# Altium PCB PCB1.PcbDoc (part 2 of 8)
Units mm, origin at the board's own origin, x right, y up, seen from the top; angles counter-clockwise.
Board outline 215 x 62.44 mm, 6 copper layers (Top Layer, Layer 1, Layer 2, Layer 3, Layer 4, Bottom Layer), stack 1.538 mm thick; 444 components, 475 nets, 1876 pads, 1257 vias.
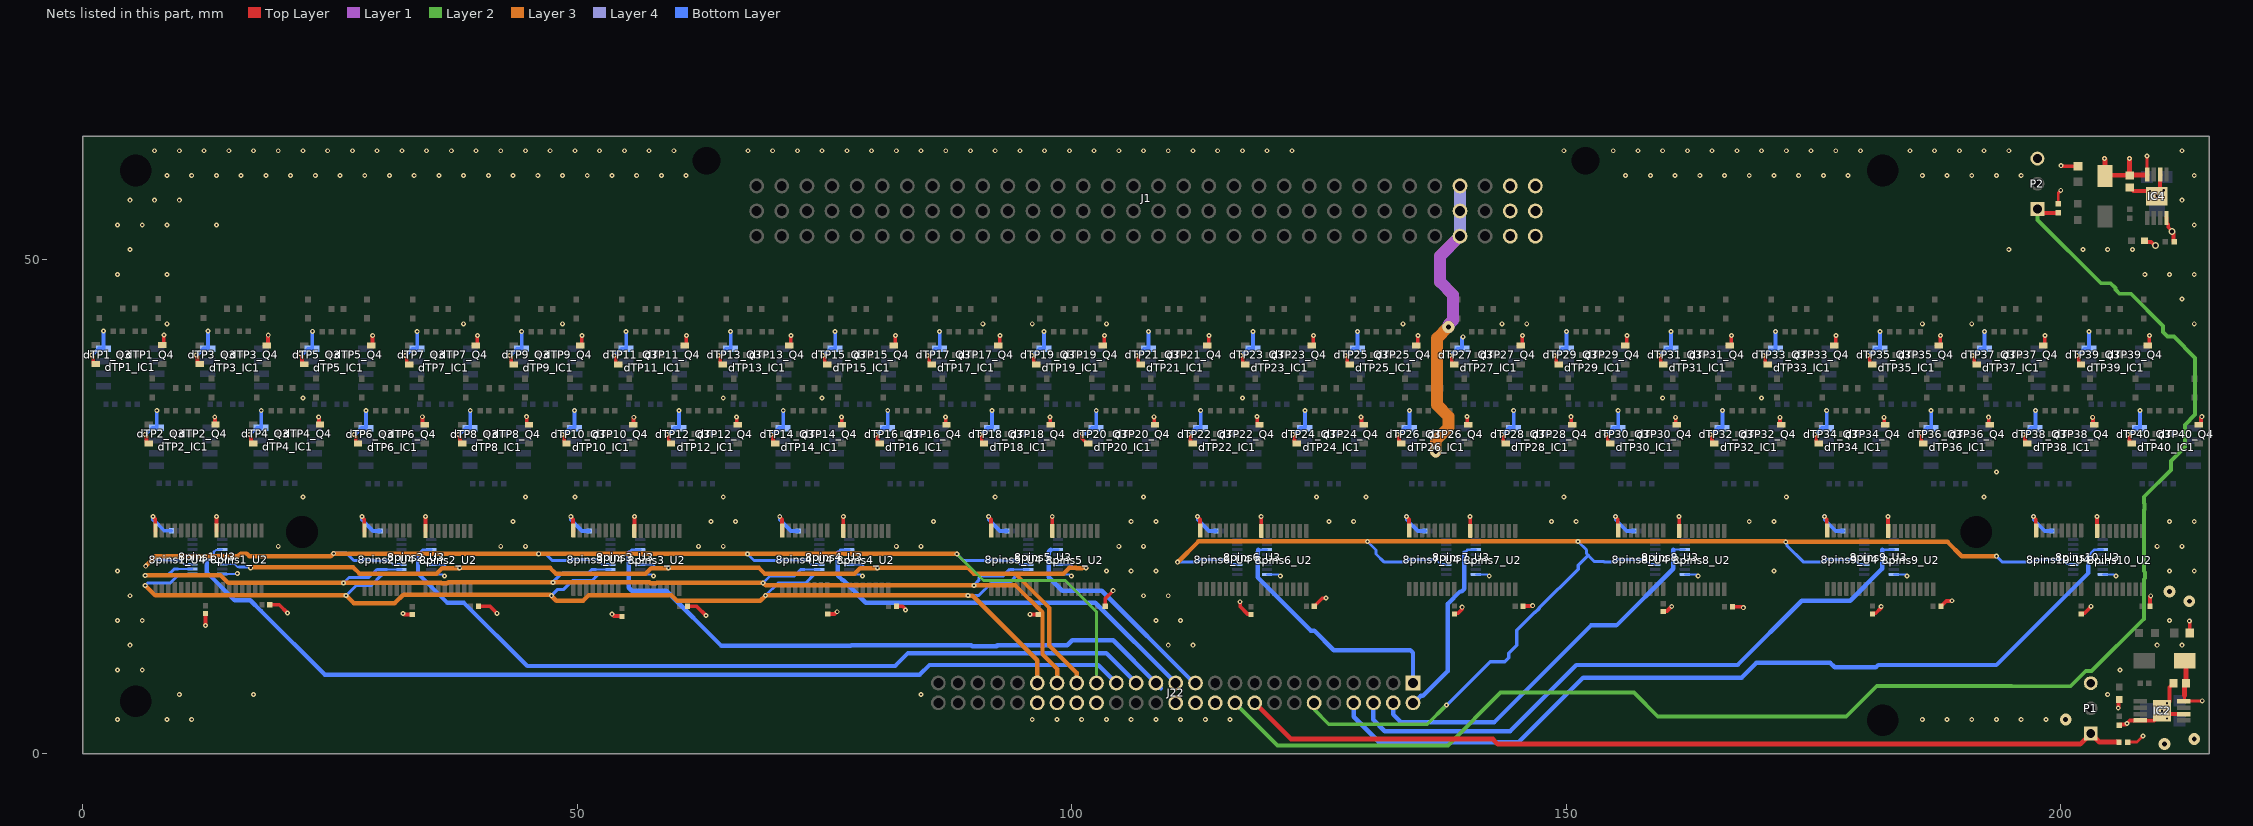
[diagram p6: the nets of this part, all layers, seen from the top]

## Footprints (in the part's own frame and the unit in brackets; to place one, negate y for a bottom-side part, rotate by r counter-clockwise, add the part's x,y. Pads: shape width x height; smd on the part's side, far side on the other; paste and mask are expansions set on the pad) (continued)
09033966921 [mm]
  round 1.5 hole 1: A1(0,0) A2(-2.54,0) A3(-5.08,0) A4(-7.62,0) A5(-10.16,0) A6(-12.7,0) A7(-15.24,0) A8(-17.78,0) A9(-20.32,0) A10(-22.86,0) A11(-25.4,0) A12(-27.94,0) A13(-30.48,0) A14(-33.02,0) A15(-35.56,0) A16(-38.1,0) A17(-40.64,0) A18(-43.18,0) A19(-45.72,0) A20(-48.26,0) A21(-50.8,0) A22(-53.34,0) A23(-55.88,0) A24(-58.42,0) A25(-60.96,0) A26(-63.5,0) A27(-66.04,0) A28(-68.58,0) A29(-71.12,0) A30(-73.66,0) A31(-76.2,0) A32(-78.74,0) B1(0,2.54) B2(-2.54,2.54) B3(-5.08,2.54) B4(-7.62,2.54) B5(-10.16,2.54) B6(-12.7,2.54) B7(-15.24,2.54) B8(-17.78,2.54) B9(-20.32,2.54) B10(-22.86,2.54) B11(-25.4,2.54) B12(-27.94,2.54) B13(-30.48,2.54) B14(-33.02,2.54) B15(-35.56,2.54) B16(-38.1,2.54) B17(-40.64,2.54) B18(-43.18,2.54) B19(-45.72,2.54) B20(-48.26,2.54) B21(-50.8,2.54) B22(-53.34,2.54) B23(-55.88,2.54) B24(-58.42,2.54) B25(-60.96,2.54) B26(-63.5,2.54) B27(-66.04,2.54) B28(-68.58,2.54) B29(-71.12,2.54) B30(-73.66,2.54) B31(-76.2,2.54) B32(-78.74,2.54) C1(0,5.08) C2(-2.54,5.08) C3(-5.08,5.08) C4(-7.62,5.08) C5(-10.16,5.08) C6(-12.7,5.08) C7(-15.24,5.08) C8(-17.78,5.08) C9(-20.32,5.08) C10(-22.86,5.08) C11(-25.4,5.08) C12(-27.94,5.08) C13(-30.48,5.08) C14(-33.02,5.08) C15(-35.56,5.08) C16(-38.1,5.08) C17(-40.64,5.08) C18(-43.18,5.08) C19(-45.72,5.08) C20(-48.26,5.08) C21(-50.8,5.08) C22(-53.34,5.08) C23(-55.88,5.08) C24(-58.42,5.08) C25(-60.96,5.08) C26(-63.5,5.08) C27(-66.04,5.08) C28(-68.58,5.08) C29(-71.12,5.08) C30(-73.66,5.08) C31(-76.2,5.08) C32(-78.74,5.08)
  round 1.4 hole 2.8 unplated: MH1(-83.82,-2.54) MH2(5.08,-2.54)
  silkscreen extent -86.37,-12.64 8.2,0.36, body extent -86.37,-12.66 7.63,5.36, height 10.5
DIONM5127X229N [mm]
  rect 2.2x1.55 smd: 1(-2.05,0) 2(2.05,0)
  silkscreen extent -2.55,-1.33 2.55,1.33, body extent -2.55,-1.33 2.55,1.33, height 2.29
FP-DYY0016A-MFG [mm]
  rrect33% 1.05x0.3 smd paste+0 mask+0: 1(-1.5,1.75) 2(-1.5,1.25) 3(-1.5,0.75) 4(-1.5,0.25) 5(-1.5,-0.25) 6(-1.5,-0.75) 7(-1.5,-1.25) 8(-1.5,-1.75) 9(1.5,-1.75) 10(1.5,-1.25) 11(1.5,-0.75) 12(1.5,-0.25) 13(1.5,0.25) 14(1.5,0.75) 15(1.5,1.25) 16(1.5,1.75)
  silkscreen extent -2.7,-2.15 0.55,2.15, body extent -1.63,-2.1 1.63,2.1, height 1
RESC1005X40X25NL05T05 [mm] "Chip Resistor, 2-Leads, Body 1.00x0.50mm, IPC Medium Density"
  rect 0.55x0.55 smd: 1(-0.45,0) 2(0.45,0)
  body extent -0.53,-0.27 0.53,0.28, height 0.4
SHDRRA50W55P200_2X25_5265X640X630P [mm]
  rect 1.5x1.5 hole 1: 1(0,0)
  round 1.5 hole 1: 2(0,2) 3(2,0) 4(2,2) 5(4,0) 6(4,2) 7(6,0) 8(6,2) 9(8,0) 10(8,2) 11(10,0) 12(10,2) 13(12,0) 14(12,2) 15(14,0) 16(14,2) 17(16,0) 18(16,2) 19(18,0) 20(18,2) 21(20,0) 22(20,2) 23(22,0) 24(22,2) 25(24,0) 26(24,2) 27(26,0) 28(26,2) 29(28,0) 30(28,2) 31(30,0) 32(30,2) 33(32,0) 34(32,2) 35(34,0) 36(34,2) 37(36,0) 38(36,2) 39(38,0) 40(38,2) 41(40,0) 42(40,2) 43(42,0) 44(42,2) 45(44,0) 46(44,2) 47(46,0) 48(46,2) 49(48,0) 50(48,2)
  silkscreen extent -2.32,0 50.32,8.4, body extent -2.32,-0.22 50.32,8.43, height 6.29
SOIC127P600X175-8N [mm]
  rect 1.525x0.65 smd: 1(-2.712,1.905) 2(-2.712,0.635) 3(-2.712,-0.635) 4(-2.712,-1.905) 5(2.712,-1.905) 6(2.712,-0.635) 7(2.712,0.635) 8(2.712,1.905)
  silkscreen extent -3.47,-2.45 1.6,2.58, body extent -3,-2.45 3,2.45, height 1.75
SOP65P490X110-9N [mm]
  rect 1.4x0.45 smd: 1(-2.2,0.975) 2(-2.2,0.325) 3(-2.2,-0.325) 4(-2.2,-0.975) 5(2.2,-0.975) 6(2.2,-0.325) 7(2.2,0.325) 8(2.2,0.975)
  rect 1.846x2.15 smd: 9(0,0)
  silkscreen extent -2.9,1.55 -1.5,1.55, body extent -2.45,-1.5 2.45,1.5, height 1.07
SOT95P240X110-3N [mm]
  rect 0.85x0.6 smd: 1(-1.25,0.95) 2(-1.25,-0.95) 3(1.25,0)
  silkscreen extent -1.68,-1.46 0.48,1.5, body extent -1.2,-1.46 1.2,1.46, height 1.1
SOTFL95P240X88-3N [mm]
  rect 0.575x0.62 smd: 1(-1.188,0.95) 2(-1.188,-0.95) 3(1.188,0)
  silkscreen extent -1.48,-1.45 0.55,1.51, body extent -1.2,-1.45 1.2,1.45, height 0.88
SSOT16 [mm] "SOP, 16-Leads, Body 5.1x4.5mm, Pitch 0.65mm, IPC Medium Density"
  rrect22% 1.4x0.45 smd: 1(-2.95,2.275) 2(-2.95,1.625) 3(-2.95,0.975) 4(-2.95,0.325) 5(-2.95,-0.325) 6(-2.95,-0.975) 7(-2.95,-1.625) 8(-2.95,-2.275) 9(2.95,-2.275) 10(2.95,-1.625) 11(2.95,-0.975) 12(2.95,-0.325) 13(2.95,0.325) 14(2.95,0.975) 15(2.95,1.625) 16(2.95,2.275)
  silkscreen extent -3.07,-2.55 1.85,3.17, body extent -3.21,-2.5 3.21,2.5, height 1
TC33X2503E [mm]
  rect 1.2x1.2 smd: 1(-1,-1.7) 3(1,-1.7)
  rect 1.6x1.5 smd: 2(0,1.55)
  silkscreen extent -1.8,-2.64 1.8,1.9, body extent -1.5,-2 1.5,1.8, height 1.22

## Part data
8pins1_C18 8pins1_C19 8pins1_C20 8pins2_C18 8pins2_C19 8pins2_C20 8pins3_C18 8pins3_C19 8pins3_C20 8pins4_C18 8pins4_C19 8pins4_C20 8pins5_C18 8pins5_C19 8pins5_C20 8pins6_C18 8pins6_C19 8pins6_C20 8pins7_C18 8pins7_C19 8pins7_C20 8pins8_C18 8pins8_C19 8pins8_C20 8pins9_C18 8pins9_C19 8pins9_C20 8pins10_C18 8pins10_C19 8pins10_C20: library part "Capacitor 0402 25V", "Cap Ceramic 0.1uF 25V X7R 10% Pad SMD 0402 125C T/R", Capacitance="0.10 μF", Manufacturer=Kemet, Manufacturer Part Number=C0402C104K3RACTU, Package=C0402-BB, Temperature="-55°C to +125°C", Temperature Characteristic=X7R, Temperature Coefficient=15%, Temperature Range High=+125°C, Temperature Range Low=-55°C, Tolerance=0.1, Voltage Rating="25 V", Automotive=No, Category=Cap, ComponentLink2Description=Datasheet, ComponentLink2URL=https://content.kemet.com/datasheets/KEM_C1002_X7R_SMD.pdf, Device Class L1="Passive Components", Device Class L2=Capacitors, Device Class L3="Ceramic Capacitors", Digikey Description="Cap Ceramic 0.1uF 25V X7R 10% Pad SMD 0402 125C T/R", Height=0.55mm, Ipc Land Pattern Name=CAPC10050X50, Lead Free=Yes, Material=Ceramic, Mouser Description="Cap Ceramic 0.1uF 25V X7R 10% Pad SMD 0402 125C T/R", Octopart=https://octopart.com/c0402c104k3ractu-kemet-71105629, RoHS=TRUE
8pins1_U2 8pins1_U4 8pins2_U2 8pins2_U4 8pins3_U2 8pins3_U4 8pins4_U2 8pins4_U4 8pins5_U2 8pins5_U4 8pins6_U2 8pins6_U4 8pins7_U2 8pins7_U4 8pins8_U2 8pins8_U4 8pins9_U2 8pins9_U4 8pins10_U2 8pins10_U4: "8-Bit Shift Registers With 3-State Output Registers, PW0016A, LARGE T&R", F @ Nom Voltage(Max)(Mhz)=70, Generic Part Number=SN74AHCT595, ICC @ Nom Voltage(Max)(mA)=0.04, Manufacturer="Texas Instruments", Operating Temperature Range(C)="-40 to 85", Rating=Catalog, tpd @ Nom Voltage(Max)(ns)=11.4, Voltage(Nom)(V)=5, 3-State Output=Yes, Bits=8, Code_JEDEC=MO-153, DatasheetVersion=SCLS374N, Input Type=TTL, Output Drive (IOL/IOH)(Max)(mA)=8/-8, Output Type=CMOS, PackageReference=PW0016A, PackageVersion=http://www.ti.com/lit/ml/mpds361/mpds361.pdf, Technology Family=AHCT, VCC(Max)(V)=5.5, VCC(Min)(V)=4.5
8pins1_U3 8pins2_U3 8pins3_U3 8pins4_U3 8pins5_U3 8pins6_U3 8pins7_U3 8pins8_U3 8pins9_U3 8pins10_U3: "AUTOMOTIVE, 5-V, 8:1, 1-CHANNEL", RoHS Compliant=Yes
C21 C27: library part "0603 TantalCAP", "CAP TANT POLY 10UF 10V SMD", Leakage Current=10uA, Manufacturer=AVX, Manufacturer Part Number=F381A106MMAAH1, Package=F38M, Ripple Current=289mA, Temperature="-55°C to +105°C", Temperature Range High=+105°C, Temperature Range Low=-55°C, Tolerance=20%, Voltage Rating=10V, Automotive=No, Capacitance=10uF, Category=Cap, ComponentLink2Description=Datasheet, ComponentLink2URL=http://datasheets.avx.com/F38.pdf, Device Class L1="Passive Components", Device Class L2=Capacitors, Device Class L3="Polymer Capacitors", Digikey Description="CAP TANT POLY 10UF 10V SMD", Dissipation Factor=15%, Esr=300mΩ, Footprint Url=http://www.avx.com/download/software/literature/AVX-Footprint-Library.pdf, Height=0.9mm, Lead Free=Yes, Life=1000Hours, Material=Tantalum-Polymer, Mouser Description="Cap Tant Polymer 10uF 10VDC M CASE 20% (1.6 X 0.85 X 0.8mm) Undertab SMD 1608-09 0.3 Ohm 105C T/R", Octopart=https://octopart.com/f381a106mmaah1-avx-67040376, RoHS=TRUE
C22 C28: library part 0603-CAP, "General Purpose Ceramic Capacitor, 0603, 1uF, 10%, X5R, 15%, 25V", Capacitance=1uF, Case Code (Imperial)=0603, Case Code (Metric)=1608, Dielectric=X5R, Dielectric Material=Ceramic, Max Operating Temperature=85°C, Min Operating Temperature=-55°C, Package Quantity=1, Tolerance=20%, Voltage=25V, Voltage Rating=6.3V, Case/Package=0603, Construction=Flat, Contact Plating=Tin, Depth=0.81mm, Height=0.9mm, Lead Free="Lead Free", Length=1.6mm, Mount="Surface Mount", Number of Pins=2, Packaging="Tape and Reel", Radiation Hardening=No, REACH SVHC="No SVHC", RoHS Compliant=Yes, Series=-, Termination=SMD/SMT, Thickness=0.035inch, Voltage Rating (DC)=25V, Width=0.032inch
D1 D3: library part 0603_RED_LED_2V2, "LED RED DIFFUSED 1608 SMD", Colour=Red, Forward Current=20mA, Forward Voltage=2.2V, Manufacturer=Rohm, Manufacturer Part Number=SML-D12U1WT86, Package=SML-D12, Power Dissipation=54mW, Reverse Voltage=5V, Temperature="-40°C to +85°C", Temperature Range High=+85°C, Temperature Range Low=-40°C, Automotive=No, Category=Diode, ComponentLink2Description=Datasheet, ComponentLink2URL=https://www.rohm.com/datasheet/SML-D12U1W/sml-d12x1-e, Device Class L1=Optoelectronics, Device Class L2=LEDs, Device Class L3=unset, Digikey Description="LED RED DIFFUSED 1608 SMD", Height=0.65mm, Lead Free=Yes, Led Orientation="Top View", Luminous Intensity=63mcd, Mouser Description="SML-D12 Series Red 0603 Diffused 63 mcd 2.2 V Surface Mount LED", Octopart=https://octopart.com/sml-d12u1wt86-rohm-70850259, RoHS=TRUE, Wavelength=620nm
D11 D13: "Schottky Diode", Arrow Part Number=SSA34HE3_A/I, Manufacturer_Name=Vishay, Mouser Part Number=78-SSA34HE3_A/I, Arrow Price/Stock=https://www.arrow.com/en/products/ssa34he3-ai/vishay?region=nac, Datasheet Link=https://componentsearchengine.com/Datasheets/1/SSA34HE3_A_I.pdf, Height=2.29mm, Manufacturer_Part_Number=SSA34HE3_A/I, Mouser Price/Stock=https://www.mouser.co.uk/ProductDetail/Vishay-General-Semiconductor/SSA34HE3_A-I?qs=asPD7ZL2j3VimMFbwwU%2FoA%3D%3D
dTP1_IC1 dTP2_IC1 dTP3_IC1 dTP4_IC1 dTP5_IC1 dTP6_IC1 dTP7_IC1 dTP8_IC1 dTP9_IC1 dTP10_IC1 dTP11_IC1 dTP12_IC1 dTP13_IC1 dTP14_IC1 dTP15_IC1 dTP16_IC1 dTP17_IC1 dTP18_IC1 dTP19_IC1 dTP20_IC1 dTP21_IC1 dTP22_IC1 dTP23_IC1 dTP24_IC1 dTP25_IC1 dTP26_IC1 dTP27_IC1 dTP28_IC1 dTP29_IC1 dTP30_IC1 dTP31_IC1 dTP32_IC1 dTP33_IC1 dTP34_IC1 dTP35_IC1 dTP36_IC1 dTP37_IC1 dTP38_IC1 dTP39_IC1 dTP40_IC1: "Integrated Circuit", Manufacturer_Name="Texas Instruments", Mouser Part Number=595-LM393LVQDRQ1, Arrow Part Number=LM393LVQDRQ1, Arrow Price/Stock=https://www.arrow.com/en/products/lm393lvqdrq1/texas-instruments?region=nac, Datasheet Link=https://www.ti.com/lit/gpn/lm393lv-q1, Height=1.75mm, Manufacturer_Part_Number=LM393LVQDRQ1, Mouser Price/Stock=https://www.mouser.co.uk/ProductDetail/Texas-Instruments/LM393LVQDRQ1?qs=IS%252B4QmGtzzqk8QFsvXuXMw%3D%3D
dTP1_Q1 dTP1_Q2 dTP2_Q1 dTP2_Q2 dTP3_Q1 dTP3_Q2 dTP4_Q1 dTP4_Q2 dTP5_Q1 dTP5_Q2 dTP6_Q1 dTP6_Q2 dTP7_Q1 dTP7_Q2 dTP8_Q1 dTP8_Q2 dTP9_Q1 dTP9_Q2 dTP10_Q1 dTP10_Q2 dTP11_Q1 dTP11_Q2 dTP12_Q1 dTP12_Q2 dTP13_Q1 dTP13_Q2 dTP14_Q1 dTP14_Q2 dTP15_Q1 dTP15_Q2 dTP16_Q1 dTP16_Q2 dTP17_Q1 dTP17_Q2 dTP18_Q1 dTP18_Q2 dTP19_Q1 dTP19_Q2 dTP20_Q1 dTP20_Q2 dTP21_Q1 dTP21_Q2 dTP22_Q1 dTP22_Q2 dTP23_Q1 dTP23_Q2 dTP24_Q1 dTP24_Q2 dTP25_Q1 dTP25_Q2 dTP26_Q1 dTP26_Q2 dTP27_Q1 dTP27_Q2 dTP28_Q1 dTP28_Q2 dTP29_Q1 dTP29_Q2 dTP30_Q1 dTP30_Q2 dTP31_Q1 dTP31_Q2 dTP32_Q1 dTP32_Q2 dTP33_Q1 dTP33_Q2 dTP34_Q1 dTP34_Q2 dTP35_Q1 dTP35_Q2 dTP36_Q1 dTP36_Q2 dTP37_Q1 dTP37_Q2 dTP38_Q1 dTP38_Q2 dTP39_Q1 dTP39_Q2 dTP40_Q1 dTP40_Q2: "MOSFET (P-Channel) - low RDS on", Arrow Part Number=SSM3J358R,LF, Manufacturer_Name=Toshiba, Mouser Part Number=757-SSM3J358RLF, Arrow Price/Stock=https://www.arrow.com/en/products/ssm3j358rlf/toshiba?region=nac, Datasheet Link=https://toshiba.semicon-storage.com/ap-en/product/mosfet/detail.SSM3J358R.html, Height=0.88mm, Manufacturer_Part_Number=SSM3J358R,LF, Mouser Price/Stock=https://www.mouser.co.uk/ProductDetail/Toshiba/SSM3J358RLF?qs=HXFqYaX1Q2xwvCtt1GGmkw%3D%3D
dTP1_Q3 dTP1_Q4 dTP2_Q3 dTP2_Q4 dTP3_Q3 dTP3_Q4 dTP4_Q3 dTP4_Q4 dTP5_Q3 dTP5_Q4 dTP6_Q3 dTP6_Q4 dTP7_Q3 dTP7_Q4 dTP8_Q3 dTP8_Q4 dTP9_Q3 dTP9_Q4 dTP10_Q3 dTP10_Q4 dTP11_Q3 dTP11_Q4 dTP12_Q3 dTP12_Q4 dTP13_Q3 dTP13_Q4 dTP14_Q3 dTP14_Q4 dTP15_Q3 dTP15_Q4 dTP16_Q3 dTP16_Q4 dTP17_Q3 dTP17_Q4 dTP18_Q3 dTP18_Q4 dTP19_Q3 dTP19_Q4 dTP20_Q3 dTP20_Q4 dTP21_Q3 dTP21_Q4 dTP22_Q3 dTP22_Q4 dTP23_Q3 dTP23_Q4 dTP24_Q3 dTP24_Q4 dTP25_Q3 dTP25_Q4 dTP26_Q3 dTP26_Q4 dTP27_Q3 dTP27_Q4 dTP28_Q3 dTP28_Q4 dTP29_Q3 dTP29_Q4 dTP30_Q3 dTP30_Q4 dTP31_Q3 dTP31_Q4 dTP32_Q3 dTP32_Q4 dTP33_Q3 dTP33_Q4 dTP34_Q3 dTP34_Q4 dTP35_Q3 dTP35_Q4 dTP36_Q3 dTP36_Q4 dTP37_Q3 dTP37_Q4 dTP38_Q3 dTP38_Q4 dTP39_Q3 dTP39_Q4 dTP40_Q3 dTP40_Q4: library part N-MOSFET, "N-Channel MOSFET Transistor PJA3432_R1_00001", Manufacturer=Fairchild, Maximum Continuous Drain Current=0.68A, Maximum Drain Source Voltage=25V, Maximum Gate Source Voltage=8V, Operating Temperature=-55to150degC, Package=3SOT-23, Category=MOSFET, Channel Mode=Enhancement, Channel Type=N, Datasheet Version="Rev. D2, 07/2014", Mounting=SurfaceMount, Packaging=Tape&Reel, Rad Hard=No, RDS-on=450@4.5VmOhm, Typical Fall Time=13ns, Typical Rise Time=8.5ns, Typical Turn-Off Delay Time=17ns, Typical Turn-On Delay Time=3ns
dTP1_R5 dTP1_R6 dTP1_R7 dTP1_R8 dTP2_R5 dTP2_R6 dTP2_R7 dTP2_R8 dTP3_R5 dTP3_R6 dTP3_R7 dTP3_R8 dTP4_R5 dTP4_R6 dTP4_R7 dTP4_R8 dTP5_R5 dTP5_R6 dTP5_R7 dTP5_R8 dTP6_R5 dTP6_R6 dTP6_R7 dTP6_R8 dTP7_R5 dTP7_R6 dTP7_R7 dTP7_R8 dTP8_R5 dTP8_R6 dTP8_R7 dTP8_R8 dTP9_R5 dTP9_R6 dTP9_R7 dTP9_R8 dTP10_R5 dTP10_R6 dTP10_R7 dTP10_R8 dTP11_R5 dTP11_R6 dTP11_R7 dTP11_R8 dTP12_R5 dTP12_R6 dTP12_R7 dTP12_R8 dTP13_R5 dTP13_R6 dTP13_R7 dTP13_R8 dTP14_R5 dTP14_R6 dTP14_R7 dTP14_R8 dTP15_R5 dTP15_R6 dTP15_R7 dTP15_R8 dTP16_R5 dTP16_R6 dTP16_R7 dTP16_R8 dTP17_R5 dTP17_R6 dTP17_R7 dTP17_R8 dTP18_R5 dTP18_R6 dTP18_R7 dTP18_R8 dTP19_R5 dTP19_R6 dTP19_R7 dTP19_R8 dTP20_R5 dTP20_R6 dTP20_R7 dTP20_R8 dTP21_R5 dTP21_R6 dTP21_R7 dTP21_R8 dTP22_R5 dTP22_R6 dTP22_R7 dTP22_R8 dTP23_R5 dTP23_R6 dTP23_R7 dTP23_R8 dTP24_R5 dTP24_R6 dTP24_R7 dTP24_R8 dTP25_R5 dTP25_R6 dTP25_R7 dTP25_R8 dTP26_R5 dTP26_R6 dTP26_R7 dTP26_R8 dTP27_R5 dTP27_R6 dTP27_R7 dTP27_R8 dTP28_R5 dTP28_R6 dTP28_R7 dTP28_R8 dTP29_R5 dTP29_R6 dTP29_R7 dTP29_R8 dTP30_R5 dTP30_R6 dTP30_R7 dTP30_R8 dTP31_R5 dTP31_R6 dTP31_R7 dTP31_R8 dTP32_R5 dTP32_R6 dTP32_R7 dTP32_R8 dTP33_R5 dTP33_R6 dTP33_R7 dTP33_R8 dTP34_R5 dTP34_R6 dTP34_R7 dTP34_R8 dTP35_R5 dTP35_R6 dTP35_R7 dTP35_R8 dTP36_R5 dTP36_R6 dTP36_R7 dTP36_R8 dTP37_R5 dTP37_R6 dTP37_R7 dTP37_R8 dTP38_R5 dTP38_R6 dTP38_R7 dTP38_R8 dTP39_R5 dTP39_R6 dTP39_R7 dTP39_R8 dTP40_R5 dTP40_R6 dTP40_R7 dTP40_R8 R1 R2 R9 R10 R15 R16: library part "Resistor 0402 100mW", Manufacturer=Panasonic, Part Number=ERJ2RKF6800X
IC2 IC4: "Integrated Circuit", Manufacturer_Name="Texas Instruments", Manufacturer_Part_Number=TLV76701DGNR, Datasheet Link=https://www.ti.com/lit/ds/symlink/tlv767.pdf?ts=1634721803014&ref_url=https%253A%252F%252Fwww.ti.com%252Fproduct%252FTLV767, Height=1.1mm
J1: "Connector", Arrow Part Number=09033966921, Manufacturer_Name=HARTING, Mouser Part Number=617-09-03-396-6921, Arrow Price/Stock=https://www.arrow.com/en/products/09033966921/harting?region=europe, Datasheet Link=https://b2b.harting.com/files/download/PRD/PDF_TS/0903396X921_100072506DRW414C.pdf?showPrivacyEmailAgreement=false&contextURL=https%3A%2F%2Fb2b.harting.com%2Febusiness%2Fen_us&siteName=Ebusiness+Site&autoLogoutEnabled=true&autoLogoutTime=1800, Height=11.6mm, Manufacturer_Part_Number=09033966921, Mouser Price/Stock=https://www.mouser.co.uk/ProductDetail/HARTING/09033966921?qs=gIpPgrDBK%2FiSDuMebe5eaQ%3D%3D
J22: "Connector", Manufacturer_Name=Molex, Mouser Part Number=538-87833-5019, Datasheet Link=https://www.molex.com/pdm_docs/sd/878335019_sd.pdf, Height=6.3mm, Manufacturer_Part_Number=87833-5019, Mouser Price/Stock=https://www.mouser.co.uk/ProductDetail/Molex/87833-5019?qs=Vr3ZXvgdfhbSPmsYnBrhlw%3D%3D
P1 P2: library part "3x1 Header", "Male Header, Pitch 2.54 mm, 1 x 2 Position, Height 8.21 mm, Tail Length 3.05 mm, -65 to 105 degC, RoHS, Bulk", Case\/Package=100, Colour=Black, Current Rating=3A, Flammability Rating=UL94V-0, High Temperature Housing=Yes, Manufacturer="TE Connectivity", Max Current Rating=5A, Max Operating Temperature=105degC, Min Operating Temperature=-65degC, Package Description="Male Header, Pitch 2.54 mm, 1 x 2 Position, Height 8.21 mm, Tail Length 3.05 mm", Package Quantity=500, Approvals=CSA, Board Standoff=No(Without), Connector Type=Header, Contact Gender=Male, Contact Material=CopperAlloy, Contact Mating Length=0.23inch, Contact Plating=Matte, Contact Protection=No(Without), Contact Shape=Square, Datasheet URL=http://www.te.com/commerce/DocumentDelivery/DDEController?Action=showdoc&DocId=Customer+Drawing%7F146280%7FH1%7Fpdf%7FEnglish%7FENG_CD_146280_H1.pdf%7F5-146280-2, Datasheet Version="Rev. H1, 08/2016", Depth=2.34mm, Gasket=No(Without), High Speed Serial Data Connector=No, Housing Colour=Black, Housing Material=Polymer, Keyed=No, Length=4.67mm, Manufacturer URL=http://www.te.com/, Mating Alignment=No(Without), Mating Connector Lock=No(Without), Mating Post Length=0.23inch, Mount=ThroughHole, Mounting Technology=ThroughHole, Number of Contacts=2, Number of Positions=2, Number of Rows=1, Orientation=Straight, Package Reference=5-146280-2, Packaging=Carton, Panel Mount Retention=No(Without), PCB Mount Retention=Without, PCB Mounting Orientation=Vertical, PCB Thickness=0.063inch, Pitch=2.54mm, Radiation Hardening=No, RoHSCompliant=true, Row Spacing=2.54mm, Selectively Loaded=No(Without), Stabilizers=No(Without), Termination=ThroughHole, Termination Post Length=0.12inch
R11 R17: library part "0603 - SMD RESISTOR", "Resistor", Manufacturer_Name=Bourns, Manufacturer_Part_Number=CR0603-J/-9R1ELF, Mouser Part Number=652-CR0603-J/-9R1ELF, Datasheet Link=https://www.bourns.com/pdfs/chpreztr.pdf, Height=0.55mm, Mouser Price/Stock=https://www.mouser.com/Search/Refine.aspx?Keyword=652-CR0603-J%2F-9R1ELF
VR1 VR3: "Variable Resistor", Arrow Part Number=TC33X-2-503E, Manufacturer_Name=Bourns, Mouser Part Number=652-TC33X-2-503E, Arrow Price/Stock=https://www.arrow.com/en/products/tc33x-2-503e/bourns?region=nac, Datasheet Link=https://componentsearchengine.com/Datasheets/1/TC33X-2-503E.pdf, Height=1.2mm, Manufacturer_Part_Number=TC33X-2-503E, Mouser Price/Stock=https://www.mouser.co.uk/ProductDetail/Bourns/TC33X-2-503E?qs=tEaODSGlU8NgxHjveDtEEg%3D%3D

## Free pads (board coordinates)
  round 1 hole 3.2 unplated: MT1(5.344,5.32) MT1(5.344,59) MT1(22.153,22.445) MT1(182,3.401) MT1(182,59) MT1(191.471,22.445)

## Via types
v1: diameter 0.5, hole 0.22, Top Layer to Bottom Layer, 884 vias
v2: diameter 0.5/0.5/0.5/0.5/0.5/0.5 (per signal layer), hole 0.22, Top Layer to Bottom Layer, tented both sides, 221 vias
v3: diameter 0.7, hole 0.4, Top Layer to Bottom Layer, 143 vias
v4: diameter 1.2, hole 0.5, Top Layer to Bottom Layer, 9 vias

## Nets (pads, with @x,y where several pads share a name; then routed paths per layer and width w, separated by ;. In a path a pad name is that pad's centre, name@x,y a point inside that pad or via, vN(x,y) a via of type N, cw(c..) or ccw(c..) an arc to the next point about the centre after c; other vN are vias at no path point)
3V_en_41: J22.20 P2.1 R2.2 | length 155.3
  Top Layer w0.4: P2.1@197.641,55.126 198.041,54.725 R2.2@199.747,54.725
  Layer 2 w0.4: J22.20@116.5,5.175 120.804,0.871 138.02,0.871 143.353,6.204 156.857,6.204 159.292,3.769 178.269,3.769 181.396,6.896 195.012,6.896 195.057,6.851 200.989,6.851 202.527,8.389 203.125,8.389 208.396,13.659 208.396,17.66 208.526,17.79 208.526,18.373 208.396,18.504 208.396,24.657 208.453,24.714 208.453,25.297 208.396,25.354 208.396,25.967 211.132,28.703 211.132,29.311 211.145,29.324 211.145,29.645 212.558,31.058 212.558,33.291 213.594,34.327 213.594,40.042 211.44,42.196 210.808,42.196 210.337,42.667 210.337,43.298 207.096,46.54 205.96,46.54 205.517,46.983 205.517,47.13 205.046,47.601 204.059,47.601 197.641,54.019 P2.1@197.641,55.126
5V_comp: J1.A29 J1.B29 J1.C29 | length 29.9
  Layer 1 w1.2: v4(138.076,43.192) 138.076,43.38 138.532,43.836 138.532,46.444 137.243,47.732 137.243,50.358 J1.C29@139.25,52.365
  Layer 3 w1.2: v4(136.8,30.595) 136.8,31.739 138.072,33.011 138.072,34.155 136.936,35.291 136.936,42.052 v4(138.076,43.192)
  Layer 4 w1.2: J1.C29@139.25,52.365 J1.B29@139.25,54.905 J1.A29@139.25,57.445
5V_en_41: J22.18 P1.1 R1.2 | length 89.9
  Top Layer w0.5: J22.18@118.5,5.175 122.175,1.5 142.575,1.5 143.075,1 201.958,1 P1.1@203.036,2.079 203.914,1.201 R1.2@205.888,1.201
BOARD_PWR: C22.1 C28.1 D11.1 D13.1 IC2.8 IC4.8 J1.A31 J1.B31 J1.C31 J22.22 J22.24 J22.26 P1.3 P2.3 | length 15.7
  Top Layer w0.3: v1(208.728,60.456) 208.736,60.448 208.736,58.603 IC4.8@208.743,58.596 ; IC2.8@212.446,5.34 212.467,5.36 IC2.8@212.477,5.36 ; 212.532,5.889 212.532,5.415 IC2.8@212.477,5.36 ; v1(214.31,5.381) 214.29,5.36 IC2.8@212.477,5.36
  Top Layer w0.5: v1(204.41,60.202) 204.468,60.144 D13.1@204.468,58.446 204.544,58.521 C28.1@206.968,58.521 ; v1(206.95,60.202) 206.968,60.184 C28.1@206.968,58.521 ; IC4.8@208.705,58.557 207.004,58.557 C28.1@206.968,58.521 ; 212.532,5.889 212.532,7.041 C22.1@212.65,7.159 212.65,9.345 D11.1@212.55,9.445
  other v4: 210.5,1 213.5,1.5 200.5,3.5 213,15.445 211,16.445
GND: 8pins1_C18.2 8pins1_C19.2 8pins1_C20.1 8pins1_U2.8 8pins1_U3.8 8pins1_U4.8 8pins2_C18.2 8pins2_C19.2 8pins2_C20.1 8pins2_U2.8 8pins2_U3.8 8pins2_U4.8 8pins3_C18.2 8pins3_C19.2 8pins3_C20.1 8pins3_U2.8 8pins3_U3.8 8pins3_U4.8 8pins4_C18.2 8pins4_C19.2 8pins4_C20.1 8pins4_U2.8 8pins4_U3.8 8pins4_U4.8 8pins5_C18.2 8pins5_C19.2 8pins5_C20.1 8pins5_U2.8 8pins5_U3.8 8pins5_U4.8 8pins6_C18.2 8pins6_C19.2 8pins6_C20.1 8pins6_U2.8 8pins6_U3.8 8pins6_U4.8 8pins7_C18.2 8pins7_C19.2 8pins7_C20.1 8pins7_U2.8 8pins7_U3.8 8pins7_U4.8 8pins8_C18.2 8pins8_C19.2 8pins8_C20.1 8pins8_U2.8 8pins8_U3.8 8pins8_U4.8 8pins9_C18.2 8pins9_C19.2 8pins9_C20.1 8pins9_U2.8 8pins9_U3.8 8pins9_U4.8 8pins10_C18.2 8pins10_C19.2 8pins10_C20.1 8pins10_U2.8 8pins10_U3.8 8pins10_U4.8 C21.1 C22.2 C27.1 C28.2 dTP1_IC1.4 dTP1_Q3.2 dTP1_Q4.2 dTP2_IC1.4 dTP2_Q3.2 dTP2_Q4.2 dTP3_IC1.4 dTP3_Q3.2 dTP3_Q4.2 dTP4_IC1.4 dTP4_Q3.2 dTP4_Q4.2 dTP5_IC1.4 dTP5_Q3.2 dTP5_Q4.2 dTP6_IC1.4 dTP6_Q3.2 dTP6_Q4.2 dTP7_IC1.4 dTP7_Q3.2 dTP7_Q4.2 dTP8_IC1.4 dTP8_Q3.2 dTP8_Q4.2 dTP9_IC1.4 dTP9_Q3.2 dTP9_Q4.2 dTP10_IC1.4 dTP10_Q3.2 dTP10_Q4.2 dTP11_IC1.4 dTP11_Q3.2 dTP11_Q4.2 dTP12_IC1.4 dTP12_Q3.2 dTP12_Q4.2 dTP13_IC1.4 dTP13_Q3.2 dTP13_Q4.2 dTP14_IC1.4 dTP14_Q3.2 dTP14_Q4.2 dTP15_IC1.4 dTP15_Q3.2 dTP15_Q4.2 dTP16_IC1.4 dTP16_Q3.2 dTP16_Q4.2 dTP17_IC1.4 dTP17_Q3.2 dTP17_Q4.2 dTP18_IC1.4 dTP18_Q3.2 dTP18_Q4.2 dTP19_IC1.4 dTP19_Q3.2 dTP19_Q4.2 dTP20_IC1.4 dTP20_Q3.2 dTP20_Q4.2 dTP21_IC1.4 dTP21_Q3.2 dTP21_Q4.2 dTP22_IC1.4 dTP22_Q3.2 dTP22_Q4.2 dTP23_IC1.4 dTP23_Q3.2 dTP23_Q4.2 dTP24_IC1.4 dTP24_Q3.2 dTP24_Q4.2 dTP25_IC1.4 dTP25_Q3.2 dTP25_Q4.2 dTP26_IC1.4 dTP26_Q3.2 dTP26_Q4.2 dTP27_IC1.4 dTP27_Q3.2 dTP27_Q4.2 dTP28_IC1.4 dTP28_Q3.2 dTP28_Q4.2 dTP29_IC1.4 dTP29_Q3.2 dTP29_Q4.2 dTP30_IC1.4 dTP30_Q3.2 dTP30_Q4.2 dTP31_IC1.4 dTP31_Q3.2 dTP31_Q4.2 dTP32_IC1.4 dTP32_Q3.2 dTP32_Q4.2 dTP33_IC1.4 dTP33_Q3.2 dTP33_Q4.2 dTP34_IC1.4 dTP34_Q3.2 dTP34_Q4.2 dTP35_IC1.4 dTP35_Q3.2 dTP35_Q4.2 dTP36_IC1.4 dTP36_Q3.2 dTP36_Q4.2 dTP37_IC1.4 dTP37_Q3.2 dTP37_Q4.2 dTP38_IC1.4 dTP38_Q3.2 dTP38_Q4.2 dTP39_IC1.4 dTP39_Q3.2 dTP39_Q4.2 dTP40_IC1.4 dTP40_Q3.2 dTP40_Q4.2 IC2.4 IC2.6 IC2.9 IC4.4 IC4.6 IC4.9 J1.A32 J1.B32 J1.C32 J22.34 J22.36 J22.38 J22.40 R1.1 R2.1 R10.2 R11.1 R16.2 R17.1 | length 336.1
  Top Layer w0.3: R2.1@199.747,55.625 199.747,56.693 200,56.946 v1(200,57) ; R1.1@206.788,1.201 207.701,1.201 v1(208.321,1.821)
  Top Layer w0.381: v1(0.882,40.341) 0.882,40.309 1.047,40.143 1.047,39.571 1.157,39.461 dTP1_Q3.2@1.282,39.461 ; v1(6.257,32.319) 6.257,32.287 6.423,32.121 6.423,31.55 6.532,31.44 dTP2_Q3.2@6.657,31.44 ; v1(7.073,24.027) 7.073,23.995 7.304,23.764 7.304,22.646 8pins1_U4.8@7.338,22.612 ; dTP1_Q4.2@8.032,41.361 8.062,41.361 8.171,41.471 8.171,42.339 v1(8.194,42.361) ; v1(11.43,40.332) 11.43,40.3 11.596,40.134 11.596,39.562 11.705,39.453 dTP3_Q3.2@11.83,39.453 ; v1(12.4,12.995) 8pins1_C19.2@12.4,14.195 ; v1(13.33,34.075) 13.353,34.052 13.353,33.425 13.409,33.369 dTP2_Q4.2@13.409,33.316 ; v1(13.499,24.027) 13.504,24.022 13.504,22.588 8pins1_U2.8@13.51,22.583 ; v1(16.823,32.319) 16.823,32.287 16.989,32.121 16.989,31.55 17.099,31.44 dTP4_Q3.2@17.224,31.44 ; dTP3_Q4.2@18.58,41.353 18.61,41.353 18.719,41.462 18.719,42.33 v1(18.742,42.353) ; 8pins1_C18.2@18.903,15.095 19.847,15.095 v1(20.687,14.255) ; v1(21.961,40.48) 21.961,40.435 22.156,40.239 22.156,39.519 22.242,39.433 dTP5_Q3.2@22.389,39.433 ; v1(23.842,34.083) 23.865,34.061 23.865,33.425 23.95,33.34 dTP4_Q4.2@24.004,33.34 ; v1(27.416,32.294) 27.416,32.262 27.582,32.096 27.582,31.524 27.692,31.415 dTP6_Q3.2@27.817,31.415 ; v1(28.206,24.007) 28.206,23.975 28.437,23.744 28.437,22.627 8pins2_U4.8@28.472,22.592 ; dTP5_Q4.2@29.139,41.333 29.169,41.333 29.278,41.443 29.278,42.311 v1(29.301,42.333) ; v1(32.382,14.193) 32.414,14.193 32.511,14.095 8pins2_C19.2@33.3,14.095 ; v1(32.588,40.307) 32.588,40.275 32.754,40.109 32.754,39.537 32.863,39.427 dTP7_Q3.2@32.988,39.427 ; v1(34.322,34.105) 34.344,34.082 34.344,33.4 34.43,33.315 dTP6_Q4.2@34.597,33.315 ; v1(34.632,24.007) 34.638,24.002 34.638,22.569 8pins2_U2.8@34.643,22.563 ; v1(37.957,32.294) 37.957,32.262 38.123,32.096 38.123,31.524 38.233,31.415 dTP8_Q3.2@38.358,31.415 ; dTP7_Q4.2@39.738,41.327 39.768,41.327 39.878,41.437 39.878,42.305 v1(39.9,42.327) ; 8pins2_C18.2@39.998,14.94 41.154,14.94 v1(41.864,14.229) ; v1(43.154,40.307) 43.154,40.275 43.32,40.109 43.32,39.537 43.43,39.427 dTP9_Q3.2@43.555,39.427 ; v1(44.847,34.107) 44.87,34.085 44.87,33.735 44.875,33.729 44.875,33.4 dTP8_Q4.2@45.125,33.4 ; v1(48.498,32.294) 48.498,32.262 48.664,32.096 48.664,31.524 48.774,31.415 dTP10_Q3.2@48.899,31.415 ; v1(49.335,24.007) 49.335,23.975 49.566,23.744 49.566,22.627 8pins3_U4.8@49.601,22.592 ; dTP9_Q4.2@50.305,41.327 50.334,41.327 50.444,41.437 50.444,42.305 v1(50.467,42.327) ; v1(53.511,14.138) 53.543,14.138 53.717,13.964 54.431,13.964 8pins3_C19.2@54.5,13.895 ; v1(53.721,40.307) 53.721,40.275 53.887,40.109 53.887,39.537 53.996,39.427 dTP11_Q3.2@54.121,39.427 ; dTP10_Q4.2@55.679,33.315 55.681,33.317 55.681,34.031 v1(55.704,34.054) ; v1(55.761,24.007) 55.767,24.002 55.767,22.569 8pins3_U2.8@55.772,22.563 ; v1(59.065,32.294) 59.065,32.262 59.231,32.096 59.231,31.524 59.34,31.415 dTP12_Q3.2@59.465,31.415 ; dTP11_Q4.2@60.871,41.327 60.901,41.327 61.01,41.437 61.01,42.305 v1(61.033,42.327) ; 8pins3_C18.2@61.127,14.94 62.06,14.94 v1(63,14) ; v1(64.287,40.307) 64.287,40.275 64.453,40.109 64.453,39.537 64.562,39.427 dTP13_Q3.2@64.687,39.427 ; v1(66.101,34.075) 66.123,34.052 66.123,33.4 66.209,33.315 dTP12_Q4.2@66.245,33.315 ; v1(69.606,32.294) 69.606,32.262 69.772,32.096 69.772,31.524 69.881,31.415 dTP14_Q3.2@70.006,31.415 ; v1(70.464,24.007) 70.464,23.975 70.695,23.744 70.695,22.627 8pins4_U4.8@70.73,22.592 ; dTP13_Q4.2@71.437,41.327 71.467,41.327 71.577,41.437 71.577,42.305 v1(71.599,42.327) ; v1(74.853,40.307) 74.853,40.275 75.019,40.109 75.019,39.537 75.129,39.427 dTP15_Q3.2@75.254,39.427 ; 8pins4_C19.2@75.315,14.165 76.02,14.165 76.24,14.385 v1(76.272,14.385) ; v1(76.72,34.074) 76.739,34.055 76.739,33.4 76.824,33.315 dTP14_Q4.2@76.83,33.315 ; v1(76.89,24.007) 76.896,24.002 76.896,22.569 8pins4_U2.8@76.901,22.563 ; v1(80.172,32.294) 80.172,32.262 80.338,32.096 80.338,31.524 80.448,31.415 dTP16_Q3.2@80.573,31.415 ; dTP15_Q4.2@82.004,41.327 82.034,41.327 82.143,41.437 82.143,42.305 v1(82.166,42.327) ; 8pins4_C18.2@82.256,14.94 82.892,14.94 83.147,14.684 83.147,14.589 v1(83.17,14.566) ; v1(85.42,40.307) 85.42,40.275 85.586,40.109 85.586,39.537 85.695,39.427 dTP17_Q3.2@85.82,39.427 ; v1(87.221,34.088) 87.243,34.065 87.243,33.4 87.329,33.315 dTP16_Q4.2@87.43,33.315 ; v1(90.713,32.294) 90.713,32.262 90.879,32.096 90.879,31.524 90.989,31.415 dTP18_Q3.2@91.114,31.415 ; v1(91.593,24.007) 91.593,23.975 91.824,23.744 91.824,22.627 8pins5_U4.8@91.859,22.592 ; dTP17_Q4.2@92.57,41.327 92.6,41.327 92.71,41.437 92.71,42.305 v1(92.732,42.327) ; v1(95.769,14.126) 95.791,14.104 96.491,14.104 8pins5_C19.2@96.5,14.095 ; v1(95.986,40.307) 95.986,40.275 96.152,40.109 96.152,39.537 96.262,39.427 dTP19_Q3.2@96.387,39.427 ; v1(97.804,34.084) 97.827,34.062 97.827,33.381 dTP18_Q4.2@97.893,33.315 ; v1(98.019,24.007) 98.025,24.002 98.025,22.569 8pins5_U2.8@98.03,22.563 ; v1@101.051,32.375 101.051,31.871 101.507,31.415 dTP20_Q3.2@101.655,31.415 ; dTP19_Q4.2@103.137,41.327 103.166,41.327 103.276,41.437 103.276,42.305 v1(103.299,42.327) ; 8pins5_C18.2@103.385,14.94 103.385,15.717 v1(104.182,16.513) ; v1(106.553,40.307) 106.553,40.275 106.719,40.109 106.719,39.537 106.828,39.427 dTP21_Q3.2@106.953,39.427 ; v1(108.312,34.097) 108.335,34.075 108.335,33.4 108.42,33.315 dTP20_Q4.2@108.434,33.315 ; v1(111.821,32.294) 111.821,32.262 111.987,32.096 111.987,31.524 112.096,31.415 dTP22_Q3.2@112.221,31.415 ; v1(112.722,24.007) 112.722,23.975 112.953,23.744 112.953,22.627 8pins6_U4.8@112.988,22.592 ; dTP21_Q4.2@113.703,41.327 113.733,41.327 113.842,41.437 113.842,42.305 v1(113.865,42.327) ; v1(117,15.395) 117.023,15.372 117.023,14.9 117.758,14.164 118.031,14.164 8pins6_C19.2@118.1,14.095 ; v1(117.119,40.307) 117.119,40.275 117.285,40.109 117.285,39.537 117.394,39.427 dTP23_Q3.2@117.519,39.427 ; v1(118.725,34.13) 118.748,34.107 118.748,33.4 118.833,33.315 dTP22_Q4.2@119.001,33.315 ; v1(119.148,24.007) 119.154,24.002 119.154,22.569 8pins6_U2.8@119.159,22.563 ; v1(122.362,32.294) 122.362,32.262 122.528,32.096 122.528,31.524 122.637,31.415 dTP24_Q3.2@122.762,31.415 ; dTP23_Q4.2@124.269,41.327 124.299,41.327 124.409,41.437 124.409,42.305 v1(124.431,42.327) ; 8pins6_C18.2@124.514,14.94 125.317,15.743 125.677,15.743 v1(125.7,15.766) ; v1(127.685,40.307) 127.685,40.275 127.851,40.109 127.851,39.537 127.961,39.427 dTP25_Q3.2@128.086,39.427 ; v1(129.256,34.085) 129.256,34.053 129.279,34.03 129.279,33.4 129.365,33.315 dTP24_Q4.2@129.542,33.315 ; v1(132.928,32.294) 132.928,32.262 133.094,32.096 133.094,31.524 133.203,31.415 dTP26_Q3.2@133.328,31.415 ; v1(133.851,24.007) 133.851,23.975 134.082,23.744 134.082,22.627 8pins7_U4.8@134.117,22.592 ; dTP25_Q4.2@134.836,41.327 134.866,41.327 134.975,41.437 134.975,42.305 v1(134.998,42.327) ; v1(138.252,40.307) 138.252,40.275 138.418,40.109 138.418,39.537 138.527,39.427 dTP27_Q3.2@138.652,39.427 ; 8pins7_C19.2@138.702,14.165 138.772,14.235 139.044,14.235 139.451,14.641 139.451,14.822 v1(139.474,14.845) ; v1(139.964,34.112) 139.987,34.09 139.987,33.4 140.072,33.315 dTP26_Q4.2@140.181,33.315 ; v1(140.277,24.007) 140.283,24.002 140.283,22.569 8pins7_U2.8@140.288,22.563 ; v1(143.469,32.294) 143.469,32.262 143.635,32.096 143.635,31.524 143.744,31.415 dTP28_Q3.2@143.869,31.415 ; dTP27_Q4.2@145.402,41.327 145.432,41.327 145.542,41.437 145.542,42.305 v1(145.564,42.327) ; 8pins7_C18.2@145.64,14.942 145.671,14.972 146.577,14.972 v1(146.6,14.995) ; v1(148.818,40.307) 148.818,40.275 148.984,40.109 148.984,39.537 149.094,39.427 dTP29_Q3.2@149.219,39.427 ; v1(150.482,34.109) 150.505,34.086 150.505,33.4 150.59,33.315 dTP28_Q4.2@150.649,33.315 ; v1(154.035,32.294) 154.035,32.262 154.201,32.096 154.201,31.524 154.311,31.415 dTP30_Q3.2@154.436,31.415 ; v1(154.98,24.007) 154.98,23.975 155.211,23.744 155.211,22.627 8pins8_U4.8@155.246,22.592 ; dTP29_Q4.2@155.969,41.327 155.998,41.327 156.108,41.437 156.108,42.305 v1(156.131,42.327) ; v1(159.385,40.307) 159.385,40.275 159.551,40.109 159.551,39.537 159.66,39.427 dTP31_Q3.2@159.785,39.427 ; 8pins8_C19.2@159.8,14.395 159.869,14.464 160.189,14.464 160.634,14.909 v1(160.666,14.909) ; v1(161.043,34.047) 161.066,34.024 161.066,33.4 161.151,33.315 dTP30_Q4.2@161.216,33.315 ; v1(161.406,24.007) 161.412,24.002 161.412,22.569 8pins8_U2.8@161.417,22.563 ; v1(164.576,32.294) 164.576,32.262 164.742,32.096 164.742,31.524 164.852,31.415 dTP32_Q3.2@164.977,31.415 ; dTP31_Q4.2@166.535,41.327 166.565,41.327 166.674,41.437 166.674,42.305 v1(166.697,42.327) ; 8pins8_C18.2@166.8,14.895 167.768,14.895 167.868,14.795 v1(167.9,14.795) ; v1(169.951,40.307) 169.951,40.275 170.117,40.109 170.117,39.537 170.226,39.427 dTP33_Q3.2@170.351,39.427 ; v1(171.6,34.047) 171.623,34.024 171.623,33.4 171.708,33.315 dTP32_Q4.2@171.775,33.315 ; v1(175.117,32.294) 175.117,32.262 175.283,32.096 175.283,31.524 175.393,31.415 dTP34_Q3.2@175.518,31.415 ; v1(176.109,24.007) 176.109,23.975 176.34,23.744 176.34,22.627 8pins9_U4.8@176.375,22.592 ; dTP33_Q4.2@177.101,41.327 177.131,41.327 177.241,41.437 177.241,42.305 v1(177.263,42.327) ; v1(180.517,40.307) 180.517,40.275 180.683,40.109 180.683,39.537 180.793,39.427 dTP35_Q3.2@180.918,39.427 ; 8pins9_C19.2@180.96,14.165 181.03,14.235 181.302,14.235 181.821,14.754 181.821,14.88 v1(181.844,14.903) ; v1(182.127,34.049) 182.15,34.026 182.15,33.4 182.235,33.315 dTP34_Q4.2@182.298,33.315 ; v1(182.535,24.007) 182.541,24.002 182.541,22.569 8pins9_U2.8@182.546,22.563 ; v1(185.87,32.443) 185.892,32.42 185.892,31.5 185.978,31.415 dTP36_Q3.2@186.084,31.415 ; dTP35_Q4.2@187.668,41.327 187.698,41.327 187.807,41.437 187.807,42.305 v1(187.83,42.327) ; 8pins9_C18.2@187.898,14.942 188.429,15.472 188.977,15.472 v1(189,15.495) ; v1(191.084,40.307) 191.084,40.275 191.25,40.109 191.25,39.537 191.359,39.427 dTP37_Q3.2@191.484,39.427 ; v1(192.704,34.059) 192.727,34.036 192.727,33.4 192.812,33.315 dTP36_Q4.2@192.864,33.315 ; v1(196.225,32.294) 196.225,32.262 196.391,32.096 196.391,31.524 196.5,31.415 dTP38_Q3.2@196.625,31.415 ; v1(197.238,24.007) 197.238,23.975 197.469,23.744 197.469,22.627 8pins10_U4.8@197.504,22.592 ; dTP37_Q4.2@198.234,41.327 198.264,41.327 198.374,41.437 198.374,42.305 v1(198.396,42.327) ; v1(200.016,59.488) 200.048,59.488 200.099,59.437 R17.1@201.734,59.437 ; v1(201.65,40.307) 201.65,40.275 201.816,40.109 201.816,39.537 201.926,39.427 dTP39_Q3.2@202.051,39.427 ; 8pins10_C19.2@202.08,14.174 202.15,14.243 202.422,14.243 203.023,14.845 203.023,14.914 v1(203.046,14.936) ; v1(203.233,34.047) 203.255,34.024 203.255,33.4 203.341,33.315 dTP38_Q4.2@203.405,33.315 ; v1(203.664,24.007) 203.67,24.002 203.67,22.569 8pins10_U2.8@203.675,22.563 ; v1(205.812,4.657) 205.835,4.68 205.835,5.4 C21.1@205.928,5.493 ; R10.2@205.928,2.899 206.013,2.983 206.546,2.983 206.658,3.095 v1(206.69,3.095) 206.985,3.39 IC2.4@208.046,3.39 209.423,3.39 210.246,4.213 v1(210.246,4.365) ; v1(206.791,32.294) 206.791,32.262 206.957,32.096 206.957,31.524 207.067,31.415 dTP40_Q3.2@207.192,31.415 ; C28.2@206.968,57.27 206.999,57.27 207.341,56.928 v1(209.028,56.928) ; C27.1@208.468,51.896 208.603,51.761 209.158,51.761 209.481,51.438 v3(209.568,51.438) ; dTP39_Q4.2@208.801,41.327 208.83,41.327 208.94,41.437 208.94,42.305 v1(208.963,42.327) ; 8pins10_C18.2@209.03,14.94 209.03,15.892 209.1,15.963 v1(209.1,15.995) ; v1(209.697,56.443) 210.043,56.789 IC4.6@210.043,58.596 IC4.6@210.078,58.561 ; IC4.9@210.299,57.003 v1(210.407,57.003) ; IC4.4@210.693,54.196 210.728,54.161 210.728,53.686 210.868,53.546 210.868,53.268 211.268,52.868 v3(211.268,52.836) 211.268,52.803 211.406,52.666 211.406,51.878 R16.2@211.464,51.82 ; v1(210.754,3.603) 210.754,3.711 211.083,4.04 IC2.6@212.446,4.04 ; v1@213.047,13.502 213.047,12.246 R11.1@213.055,12.239 ; dTP40_Q4.2@213.996,33.29 214.068,33.29 214.178,33.4 214.178,33.989 214.262,34.074 v1(214.262,34.106)